# Altium PCB Thunderscope_Rev4.1.PCBDOC (part 3 of 7) (continued)
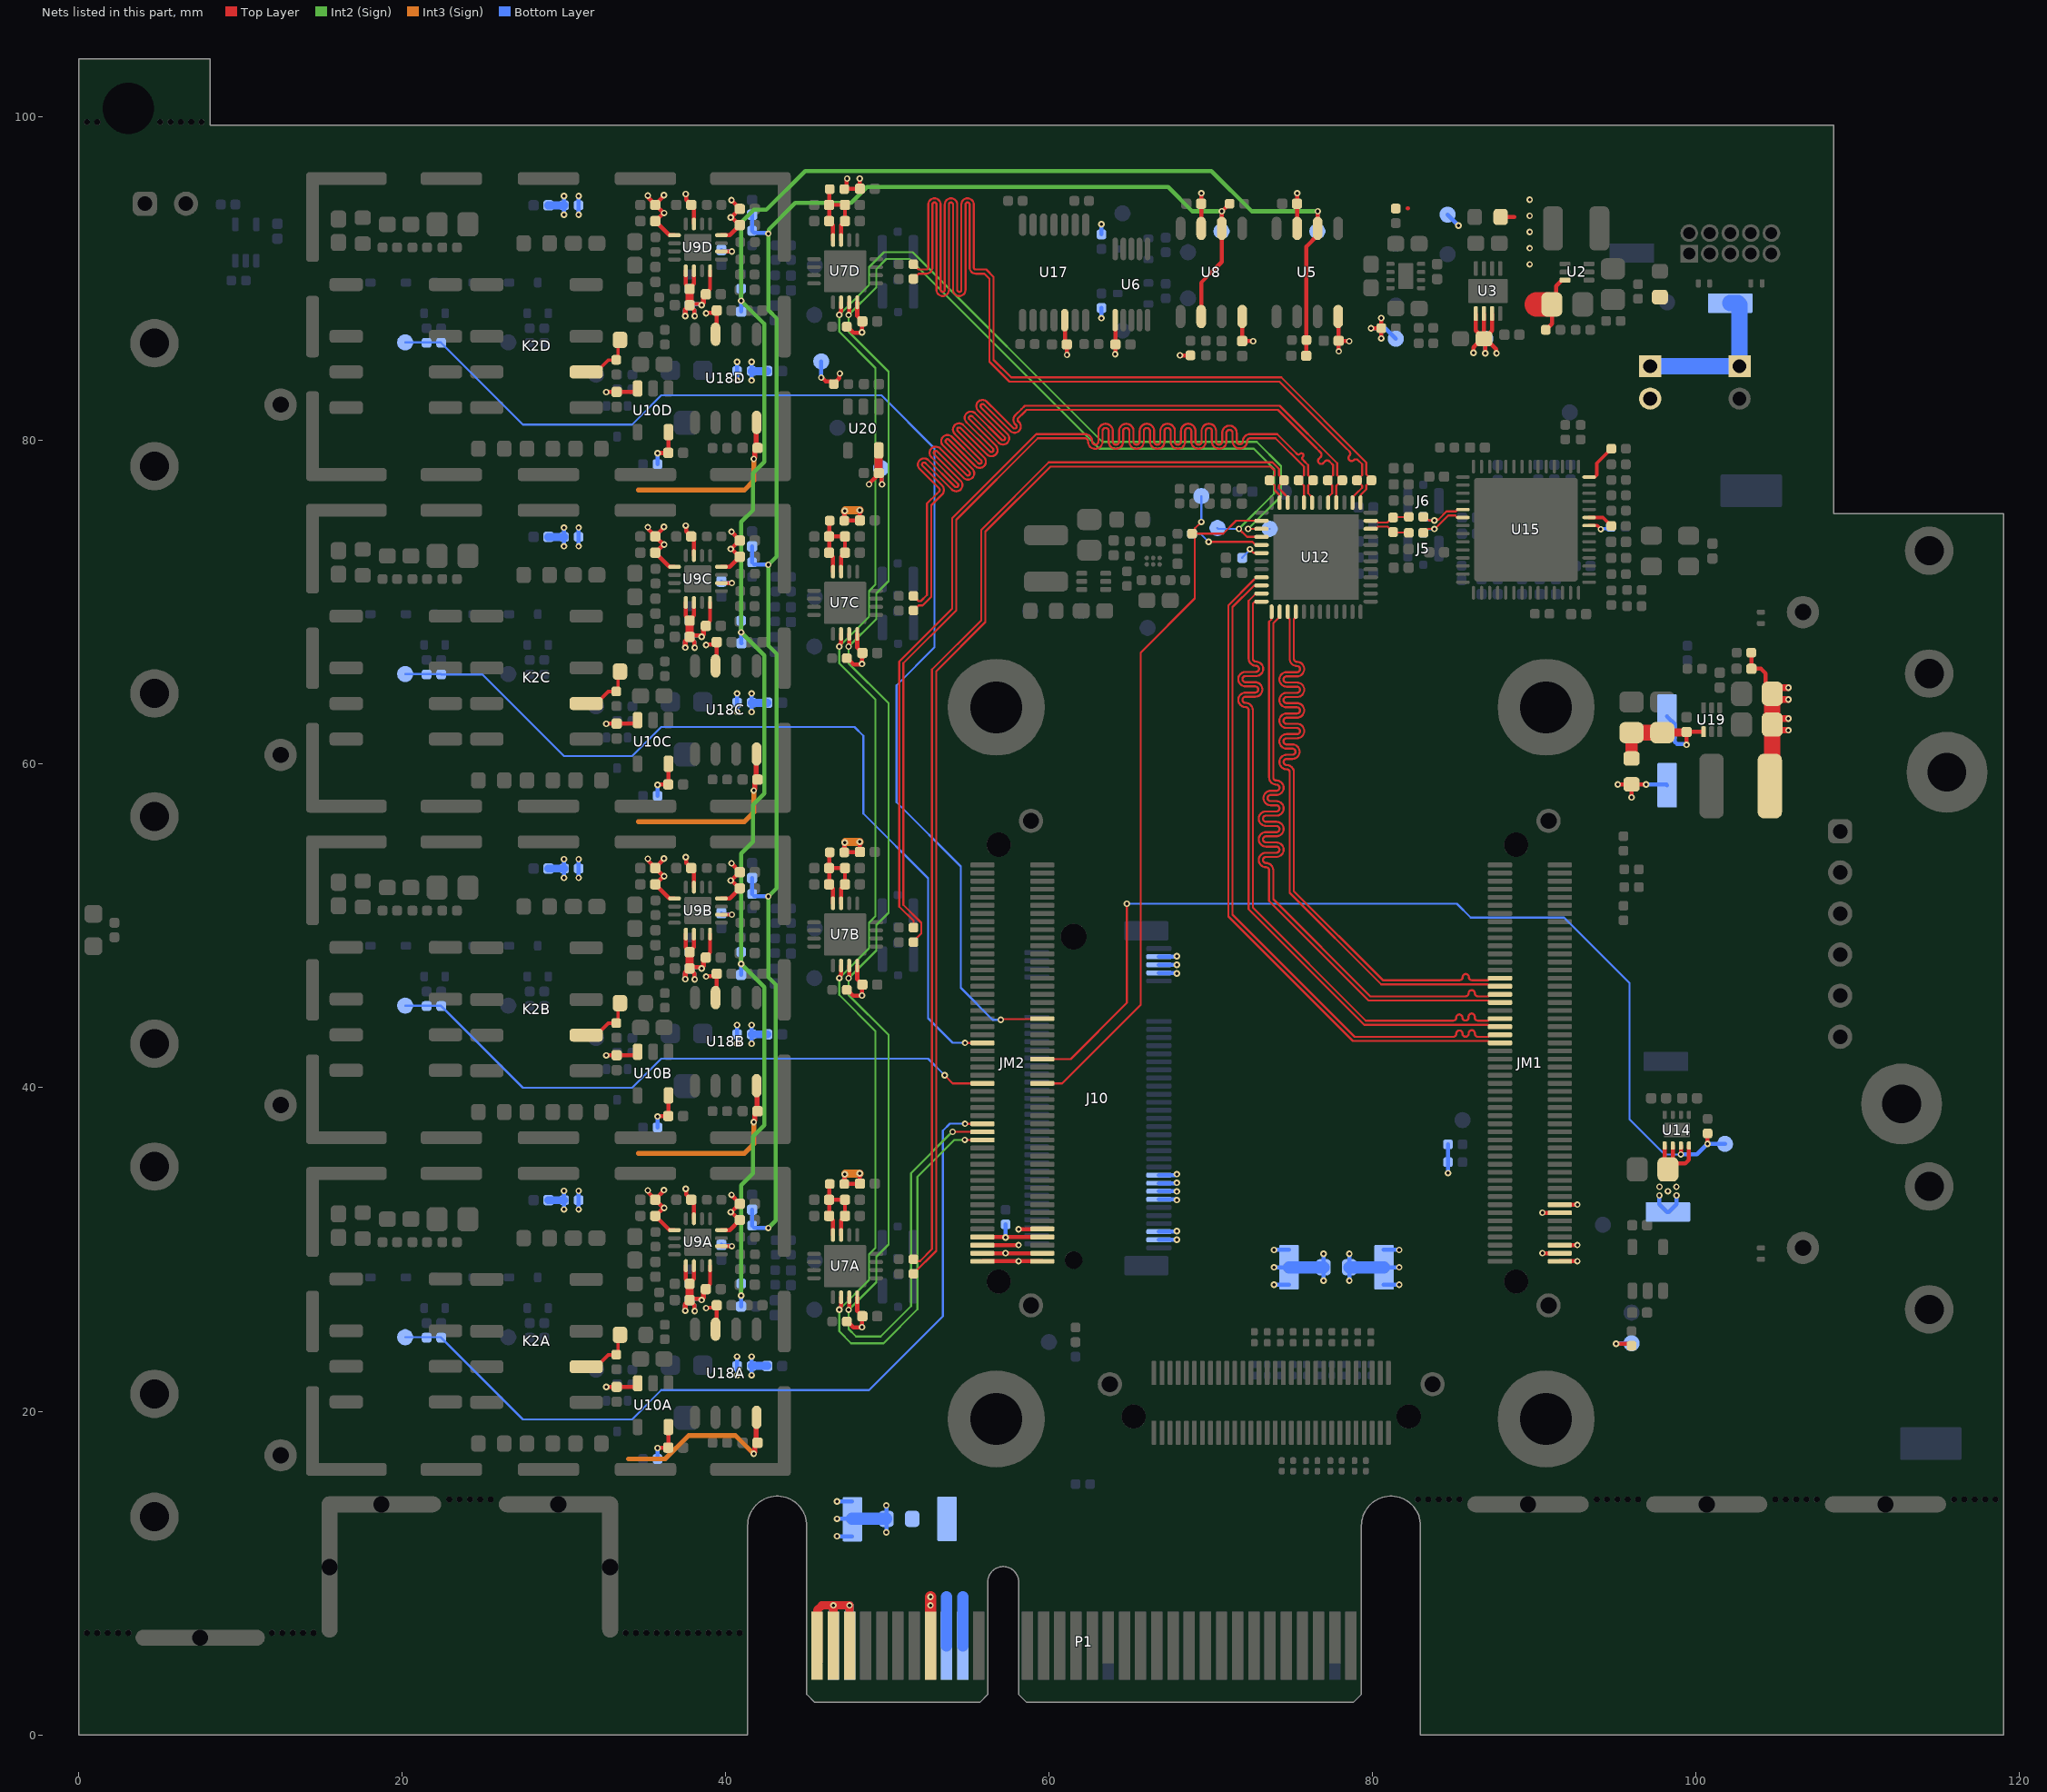
[diagram p7: the nets of this part, all layers, seen from the top]
## Nets (pads, with @x,y where several pads share a name; then routed paths per layer and width w, separated by ;. In a path a pad name is that pad's centre, name@x,y a point inside that pad or via, vN(x,y) a via of type N, cw(c..) or ccw(c..) an arc to the next point about the centre after c; other vN are vias at no path point) (continued)
  Bottom Layer w0.254: v1(30.9,32.475) FB10A.2@30.9,33.038 ; FB10A.2@30.9,33.05 v1(30.9,33.625)
-VFFEB: C102B.2 C108B.2 C109B.1 C110B.1 C124B.1 C127B.2 C128B.2 FB10B.2 R55B.2 U9B.5 U9B.6 U9B.8 U9B.10 U10B.3 U18B.4 | length 27.1
  Top Layer w0.127: C108B.2@37.76,48.375 C108B.2@37.76,48.427 ; C127B.2@38.765,48.05 C127B.2@38.765,48.102
  Top Layer w0.25: U9B.5@37.525,49.5 37.525,48.662 37.76,48.427 38.025,48.692 U9B.6@38.025,49.5 ; C109B.1@37.76,47.375 37.885,47.5 37.934,47.451 38.369,47.451 38.445,47.375 v1(38.5,47.375) ; C109B.1@37.854,47.263 38.054,47.063 38.054,46.721 v1(38.075,46.7) ; C127B.2@38.765,48.102 39.025,48.362 U9B.8@39.025,49.5 ; U9B.10@39.725,50.7 v1(40.375,50.7)
  Top Layer w0.254: v1(32.6,42) 32.605,42.005 33.245,42.005 C128B.2@33.25,42.01 34.379,42.01 34.55,42.181 U10B.3@34.55,42.225 U10B.3@34.55,42.35
  Top Layer w0.3: v1(37.487,46.712) 37.487,47.096 37.752,47.361 C109B.1@37.752,47.367 ; v1(38.5,47.375) 38.5,47.418 38.623,47.541 38.623,47.908 C127B.2@38.765,48.05 ; v1(41.725,37.875) 41.725,37.904 41.796,37.975 41.796,38.381 41.933,38.517 C124B.1@41.943,38.517 ; U18B.4@41.93,40.1 41.933,40.097 41.933,38.592 C124B.1@41.975,38.55
  Top Layer w0.5: C109B.1@37.76,47.375 C108B.2@37.76,48.375
  Int3 (Sign) w0.3: 34.586,35.949 41.149,35.949 41.725,36.525 v1(41.725,37.875)
  Bottom Layer w0.25: v1(37.487,46.712) 37.471,46.727 37.471,47.067 37.76,47.356 C102B.2@37.76,47.37 ; R55B.2@37.75,48.375 37.755,48.37 C102B.2@37.755,47.38 ; v1(38.075,46.7) 38.045,46.73 38.045,47.085 C102B.2@37.76,47.37 ; v1(38.5,47.375) 38.457,47.375 38.384,47.448 37.833,47.448 C102B.2@37.76,47.375 C102B.2@37.76,47.37 ; C110B.1@39.725,50.785 39.78,50.73 40.345,50.73 v1(40.375,50.7)
  Bottom Layer w0.254: v1(30.9,52.975) FB10B.2@30.9,53.538 ; FB10B.2@30.9,53.55 v1(30.9,54.125)
-VFFEC: C102C.2 C108C.2 C109C.1 C110C.1 C124C.1 C127C.2 C128C.2 FB10C.2 R55C.2 U9C.5 U9C.6 U9C.8 U9C.10 U10C.3 U18C.4 | length 26.9
  Top Layer w0.127: C108C.2@37.76,68.875 C108C.2@37.76,68.927 ; C127C.2@38.765,68.55 C127C.2@38.765,68.602
  Top Layer w0.25: U9C.5@37.525,70 37.525,69.162 37.76,68.927 38.025,69.192 U9C.6@38.025,70 ; C109C.1@37.76,67.875 37.885,68 37.934,67.951 38.369,67.951 38.445,67.875 v1(38.5,67.875) ; C109C.1@37.854,67.763 38.054,67.563 38.054,67.221 v1(38.075,67.2) ; C127C.2@38.765,68.602 39.025,68.862 U9C.8@39.025,70 ; U9C.10@39.725,71.2 v1(40.375,71.2)
  Top Layer w0.254: v1(32.6,62.5) 32.605,62.505 33.245,62.505 C128C.2@33.25,62.51 34.379,62.51 34.55,62.681 U10C.3@34.55,62.725 U10C.3@34.55,62.85
  Top Layer w0.3: v1(37.487,67.212) 37.487,67.596 37.752,67.861 C109C.1@37.752,67.867 ; v1(38.5,67.875) 38.5,67.918 38.623,68.041 38.623,68.408 C127C.2@38.765,68.55 ; v1(41.725,58.375) 41.725,58.404 41.796,58.475 C124C.1@41.796,58.881 ; C124C.1@41.88,59.105 U18C.4@41.88,60.6 ; U18C.4@41.93,60.6 U18C.4@41.955,60.625 ; C124C.1@41.943,59.018 C124C.1@41.965,59.04
  Top Layer w0.5: C109C.1@37.76,67.875 C108C.2@37.76,68.875
  Int3 (Sign) w0.3: 34.586,56.449 41.149,56.449 41.725,57.025 v1(41.725,58.375)
  Bottom Layer w0.25: v1(37.487,67.212) 37.471,67.227 37.471,67.567 37.76,67.856 C102C.2@37.76,67.87 ; R55C.2@37.75,68.875 37.755,68.87 C102C.2@37.755,67.88 ; v1(38.075,67.2) 38.045,67.23 38.045,67.585 C102C.2@37.76,67.87 ; v1(38.5,67.875) 38.457,67.875 38.384,67.948 37.833,67.948 C102C.2@37.76,67.875 C102C.2@37.76,67.87 ; C110C.1@39.725,71.285 39.78,71.23 40.345,71.23 v1(40.375,71.2)
  Bottom Layer w0.254: v1(30.9,73.475) FB10C.2@30.9,74.038 ; FB10C.2@30.9,74.05 v1(30.9,74.625)
-VFFED: C102D.2 C108D.2 C109D.1 C110D.1 C124D.1 C127D.2 C128D.2 FB10D.2 R55D.2 U9D.5 U9D.6 U9D.8 U9D.10 U10D.3 U18D.4 | length 26.9
  Top Layer w0.127: C108D.2@37.76,89.375 C108D.2@37.76,89.427 ; C127D.2@38.765,89.05 C127D.2@38.765,89.102
  Top Layer w0.25: U9D.5@37.525,90.5 37.525,89.662 37.76,89.427 38.025,89.692 U9D.6@38.025,90.5 ; C109D.1@37.76,88.375 37.885,88.5 37.934,88.451 38.369,88.451 38.445,88.375 v1(38.5,88.375) ; C109D.1@37.854,88.263 38.054,88.063 38.054,87.721 v1(38.075,87.7) ; C127D.2@38.765,89.102 39.025,89.362 U9D.8@39.025,90.5 ; U9D.10@39.725,91.7 v1(40.375,91.7)
  Top Layer w0.254: v1(32.6,83) 32.605,83.005 33.245,83.005 C128D.2@33.25,83.01 34.379,83.01 34.55,83.181 U10D.3@34.55,83.225 U10D.3@34.55,83.35
  Top Layer w0.3: v1(37.487,87.712) 37.487,88.096 37.752,88.361 C109D.1@37.752,88.367 ; v1(38.5,88.375) 38.5,88.418 38.623,88.541 38.623,88.908 C127D.2@38.765,89.05 ; v1(41.725,78.875) 41.725,78.904 41.796,78.975 C124D.1@41.796,79.381 ; C124D.1@41.88,79.605 U18D.4@41.88,81.1 ; U18D.4@41.93,81.1 U18D.4@41.955,81.125 ; C124D.1@41.943,79.518 C124D.1@41.975,79.55
  Top Layer w0.5: C109D.1@37.76,88.375 C108D.2@37.76,89.375
  Int3 (Sign) w0.3: 34.586,76.949 41.149,76.949 41.725,77.525 v1(41.725,78.875)
  Bottom Layer w0.25: v1(37.487,87.712) 37.471,87.727 37.471,88.067 37.76,88.356 C102D.2@37.76,88.37 ; R55D.2@37.75,89.375 37.755,89.37 C102D.2@37.755,88.38 ; v1(38.075,87.7) 38.045,87.73 38.045,88.085 C102D.2@37.76,88.37 ; v1(38.5,88.375) 38.457,88.375 38.384,88.448 37.833,88.448 C102D.2@37.76,88.375 C102D.2@37.76,88.37 ; C110D.1@39.725,91.785 39.78,91.73 40.345,91.73 v1(40.375,91.7)
  Bottom Layer w0.254: v1(30.9,93.975) FB10D.2@30.9,94.538 ; FB10D.2@30.9,94.55 v1(30.9,95.125)
AC0: R94.2 U15.23 | length 1.6
  Top Layer w0.2: U15.23@93.375,75.25 94.225,75.25 R94.2@94.75,74.725
AC1: R93.2 U15.22 | length 1.5
  Top Layer w0.2: U15.22@93.375,74.75 93.875,74.75 v1(94.1,74.525)
  Bottom Layer w0.2: v1(94.1,74.525) 94.139,74.564 94.614,74.564 R93.2@94.725,74.675
AC2: R92.2 U15.28 | length 2.5
  Top Layer w0.2: U15.28@93.375,77.75 93.733,77.75 93.85,77.867 93.85,78.6 R92.2@94.75,79.5
ACQ_EN: JM2.52 R38.2 TP33.1 U14.3 | length 62.6
  Top Layer w0.127: JM2.52@59.567,41.771 61.321,41.771 64.8,45.25 v1(64.8,51.375)
  Top Layer w0.254: v1(99.05,35.875) U14.3@99.05,36.425 ; v1(100.7,36.525) R38.2@100.7,37.175
  Bottom Layer w0.127: v1(64.8,51.375) 85.2,51.375 86.05,50.525 91.825,50.525 95.875,46.475 95.875,38.05 98.05,35.875 v1(99.05,35.875)
  Bottom Layer w0.254: v1(99.05,35.875) 100.05,35.875 v1(100.7,36.525) TP33.1@101.775,36.525
ADC_CLK_C_N: C104.1 R64.1 U12.34 | length 2.6
  Top Layer w0.127: U12.34@79.868,74.55 80.186,74.55 80.329,74.693 80.915,74.693 R64.1@81.257,74.35 81.282,74.325 82.19,74.325 C104.1@82.215,74.3
ADC_CLK_C_P: C103.1 R64.2 U12.35 | length 2.5
  Top Layer w0.127: U12.35@79.868,75.05 80.226,75.05 80.329,74.947 80.907,74.947 81.21,75.25 R64.2@81.257,75.25 81.282,75.275 82.19,75.275 C103.1@82.215,75.3
ADC_CLK_N: C104.2 J5.1 U15.48 | length 3.7
  Top Layer w0.127: C104.2@83.135,74.3 83.187,74.3 83.43,74.542 v1@83.776,74.542 ; v1(83.804,74.54) 83.829,74.54 84.664,75.375 85.108,75.375 85.233,75.25 U15.48@85.575,75.25
  Bottom Layer w0.127: J5.1@83.125,74.3 83.19,74.3 83.43,74.54 v1@83.779,74.54
ADC_CLK_P: C103.2 J6.1 U15.47 | length 3.5
  Top Layer w0.127: C103.2@83.135,75.3 83.332,75.103 83.429,75.103 83.459,75.073 v1@83.781,75.073 ; v1(83.806,75.073) 83.858,75.126 84.056,75.126 84.559,75.629 85.139,75.629 85.26,75.75 U15.47@85.575,75.75
  Bottom Layer w0.127: J6.1@83.125,75.3 83.19,75.3 83.417,75.073 v1@83.781,75.073
ADC_CSn: JM2.46 R42.1 TP29.1 U12.2 | length 45.8
  Top Layer w0.127: JM2.46@59.567,40.271 60.796,40.271 65.65,45.125 65.65,66.9 69,70.25 69,74.15 R42.1@68.9,74.25 ; R42.1@68.825,74.25 R42.1@68.9,74.25 ; R42.1@68.85,74.275 69.008,74.433 69.008,74.583 v1(69.4,74.975) ; U12.2@73.118,75.05 71.55,75.05 70.75,74.25 R42.1@68.9,74.25
  Bottom Layer w0.127: v1(69.4,74.975) TP29.1@69.4,76.575
ADC_PD: R46.1 U12.6 | length 1.6
  Top Layer w0.127: v1(72.406,73.29) 72.406,73.284 72.62,73.07 73.098,73.07 U12.6@73.118,73.05
  Bottom Layer w0.127: R46.1@71.925,72.75 71.925,72.779 72.406,73.261 v1(72.406,73.29)
ADC_RSTn: R44.1 U12.5 | length 4.6
  Top Layer w0.127: v1(69.85,73.75) 72.56,73.75 72.76,73.55 U12.5@73.118,73.55
  Bottom Layer w0.127: R44.1@68.825,74.25 69.35,74.25 v1(69.85,73.75)
ADC_SCLK: JM2.33 TP35.1 U7A.11 U7B.11 U7C.11 U7D.11 U12.4 | length 131.8
  Top Layer w0.127: v1(54.025,37.275) 54.027,37.273 55.86,37.273 JM2.33@55.863,37.271 ; v1(71.725,74.55) 72.225,74.05 U12.4@73.118,74.05
  Top Layer w0.25: v1(47.593,26.27) 47.625,26.302 U7A.11@47.625,27.05 ; v1(47.593,46.77) 47.625,46.802 U7B.11@47.625,47.55 ; v1(47.593,67.27) 47.625,67.302 U7C.11@47.625,68.05 ; v1(47.593,87.77) 47.625,87.802 U7D.11@47.625,88.55
  Int2 (Sign) w0.127: v1(54.025,37.275) 54,37.275 51.45,34.725 51.45,26.5 49.575,24.625 48.05,24.625 47.593,25.082 v1(47.593,26.27) 49.3,27.977 49.3,29.556 50.056,30.312 50.056,43.269 47.593,45.732 v1(47.593,46.77) 49.3,48.477 49.3,50.056 50.056,50.812 50.056,63.769 47.593,66.232 v1(47.593,67.27) 49.3,68.977 49.3,70.556 50.056,71.312 50.056,84.269 47.593,86.732 v1(47.593,87.77) 49.3,89.477 49.3,90.6 49.925,91.225 51.375,91.225 63.1,79.5 72.65,79.5 73.9,78.25 73.9,76.725 v1(71.725,74.55)
  Bottom Layer w0.127: TP35.1@70.391,74.609 70.45,74.55 v1(71.725,74.55)
ADC_SDATA: JM2.31 TP34.1 U7A.10 U7B.10 U7C.10 U7D.10 U12.3 | length 132.8
  Top Layer w0.127: v1(54.775,36.775) 54.777,36.773 55.865,36.773 JM2.31@55.867,36.771 ; v1(72.3,74.55) U12.3@73.118,74.55
  Top Layer w0.25: v1(47.009,26.275) 47.009,26.364 47.125,26.48 U7A.10@47.125,27.05 ; v1(47.009,46.775) 47.009,46.864 47.125,46.98 U7B.10@47.125,47.55 ; v1(47.009,67.275) 47.009,67.364 47.125,67.48 U7C.10@47.125,68.05 ; v1(47.009,87.775) 47.009,87.864 47.125,87.98 U7D.10@47.125,88.55
  Int2 (Sign) w0.127: v1(54.775,36.775) 54.125,36.775 51.85,34.5 51.85,26.3 49.75,24.2 47.75,24.2 47.009,24.941 v1(47.009,26.275) 48.85,28.116 48.85,29.7 49.25,30.1 49.25,43.495 47.009,45.736 v1(47.009,46.775) 48.85,48.616 48.85,50.2 49.25,50.6 49.25,63.995 47.009,66.236 v1(47.009,67.275) 48.85,69.116 48.85,70.7 49.25,71.1 49.25,84.495 47.009,86.736 v1(47.009,87.775) 48.85,89.616 48.85,90.725 49.775,91.65 51.55,91.65 63.275,79.925 72.826,79.925 74.325,78.426 74.325,76.575 v1(72.3,74.55)
  Bottom Layer w0.127: v1(72.3,74.55) TP34.1@73.625,74.55
ATTEN_1: JM2.35 R47A.2 R49A.2 TP22A.1 | length 52
  Top Layer w0.127: v1(54.787,37.775) 54.789,37.773 55.798,37.773 JM2.35@55.8,37.775
  Bottom Layer w0.127: TP22A.1@20.175,24.575 R47A.2@22.4,24.575 ; R47A.2@22.4,24.55 27.45,19.5 34.2,19.5 36,21.3 48.85,21.3 53.425,25.875 53.425,37.35 53.85,37.775 v1(54.787,37.775)
ATTEN_2: JM2.45 R47B.2 R49B.2 TP22B.1 | length 39.2
  Top Layer w0.127: v1(53.525,40.775) 54.029,40.271 55.863,40.271 JM2.45@55.877,40.285
  Bottom Layer w0.127: TP22B.1@20.175,45.075 R47B.2@22.4,45.075 ; R47B.2@22.4,45.05 27.45,40 34.2,40 36,41.8 52.5,41.8 v1(53.525,40.775)
ATTEN_3: JM2.55 R47C.2 R49C.2 TP22C.1 | length 54.5
  Top Layer w0.127: v1(54.787,42.775) 54.789,42.773 JM2.55@55.831,42.773
  Bottom Layer w0.127: TP22C.1@20.175,65.575 21.5,65.575 R47C.2@22.4,65.575 ; R47C.2@22.4,65.55 24.95,65.55 30,60.5 34.2,60.5 36,62.3 47.95,62.3 48.5,61.75 48.5,56.95 52.5,52.95 52.5,44.3 54.025,42.775 v1(54.787,42.775)
ATTEN_4: JM2.62 R47D.2 R49D.2 TP22D.1 | length 78.8
  Top Layer w0.127: v1(57,44.2) 57.035,44.235 59.532,44.235 JM2.62@59.567,44.271
  Bottom Layer w0.127: TP22D.1@20.175,86.075 R47D.2@22.4,86.075 ; R47D.2@22.4,86.05 27.45,81 34.2,81 36,82.8 49.625,82.8 52.9,79.525 52.9,67.225 50.55,64.875 50.55,57.65 54.525,53.675 54.525,46.175 56.5,44.2 v1(57,44.2)
ATTEN_OUTA: K2A.6 R53A.1 R96A.2 | length 3.5
  Top Layer w0.213: K2A.6@31.365,22.75 31.995,22.75 32.73,23.485 33.044,23.485 33.058,23.5 R96A.2@33.225,23.5 33.337,23.613 33.337,24.613 R53A.1@33.45,24.725
ATTEN_OUTB: K2B.6 R53B.1 R96B.2 | length 3.5
  Top Layer w0.213: K2B.6@31.365,43.25 31.995,43.25 32.73,43.985 33.044,43.985 33.058,44 R96B.2@33.225,44 33.337,44.113 33.337,45.113 R53B.1@33.45,45.225
ATTEN_OUTC: K2C.6 R53C.1 R96C.2 | length 3.5
  Top Layer w0.213: K2C.6@31.365,63.75 31.995,63.75 32.73,64.485 33.044,64.485 33.058,64.5 R96C.2@33.225,64.5 33.337,64.613 33.337,65.613 R53C.1@33.45,65.725
ATTEN_OUTD: K2D.6 R53D.1 R96D.2 | length 3.5
  Top Layer w0.213: K2D.6@31.365,84.25 31.995,84.25 32.73,84.985 33.044,84.985 33.058,85 R96D.2@33.225,85 33.337,85.113 33.337,86.113 R53D.1@33.45,86.225
CH1_N: R57.2 R97A.2 U12.47 | length 69.7
  Top Layer w0.127: R97A.2@51.6,28.5 51.6,28.51 53.007,29.918 53.007,65.743 56.05,68.786 56.05,74.375 60.075,78.4 73.686,78.4 73.943,78.143 73.943,77.875 R57.2@73.618,77.55 73.942,77.226 73.942,76.937 74.22,76.66 U12.47@74.22,76.199
CH1_P: R52A.2 R57.1 U12.46 | length 69.8
  Top Layer w0.127: R52A.2@51.6,29.4 51.71,29.29 52.016,29.29 52.75,30.024 52.75,65.85 55.793,68.893 55.793,74.482 59.968,78.657 73.793,78.657 74.2,78.25 74.2,77.868 R57.1@74.518,77.55 74.2,77.231 74.2,77.044 74.529,76.714 U12.46@74.743,76.5
CH2_N: R60.2 R97B.2 U12.44 | length 69.7
  Top Layer w0.127: R97B.2@51.6,49 51.6,49.047 52.091,49.537 52.091,50.191 50.982,51.299 50.982,66.243 54.25,69.511 54.25,75.105 59.295,80.15 61.375,80.15 62.205,80.15 cw(c62.205,79.959) 62.396,79.959 62.396,79.941 ccw(c62.843,79.941) 62.843,79.493 ccw(c62.843,79.941) 63.291,79.941 63.291,80.597 cw(c63.482,80.597) 63.482,80.787 cw(c63.482,80.597) 63.672,80.597 63.672,79.941 ccw(c64.12,79.941) 64.12,79.493 ccw(c64.12,79.941) 64.567,79.941 64.567,80.597 cw(c64.758,80.597) 64.758,80.787 cw(c64.758,80.597) 64.948,80.597 64.948,79.941 ccw(c65.396,79.941) 65.396,79.493 ccw(c65.396,79.941) 65.844,79.941 65.844,80.597 cw(c66.034,80.597) 66.034,80.787 cw(c66.034,80.597) 66.225,80.597 66.225,79.941 ccw(c66.673,79.941) 66.673,79.493 ccw(c66.673,79.941) 67.12,79.941 67.12,80.597 cw(c67.311,80.597) 67.311,80.787 cw(c67.311,80.597) 67.501,80.597 67.501,79.941 ccw(c67.949,79.941) 67.949,79.493 ccw(c67.949,79.941) 68.397,79.941 68.397,80.597 cw(c68.587,80.597) 68.587,80.787 cw(c68.587,80.597) 68.778,80.597 68.778,79.941 ccw(c69.226,79.941) 69.226,79.493 ccw(c69.226,79.941) 69.673,79.941 69.673,80.597 cw(c69.864,80.597) 69.864,80.787 cw(c69.864,80.597) 70.054,80.597 70.054,79.941 ccw(c70.502,79.941) 70.502,79.493 ccw(c70.502,79.941) 70.95,79.941 70.95,80.48 cw(c71.14,80.48) 71.14,80.67 cw(c71.14,80.48) 71.331,80.48 71.331,79.959 ccw(c71.778,79.959) 71.778,79.512 ccw(c71.778,79.959) 72.226,79.959 cw(c72.417,79.959) 72.417,80.15 73.169,80.15 73.986,80.15 75.743,78.393 75.743,77.875 R60.2@75.418,77.55 75.418,77.546 75.743,77.221 U12.44@75.743,76.175
CH2_P: R52B.2 R60.1 U12.43 | length 69.7
  Top Layer w0.127: R52B.2@51.6,49.9 51.602,49.902 51.602,50.316 50.725,51.193 50.725,66.35 53.993,69.618 53.993,75.211 59.189,80.407 61.375,80.407 62.205,80.407 cw(c62.205,79.959) 62.653,79.959 62.653,79.941 ccw(c62.843,79.941) 62.843,79.75 ccw(c62.843,79.941) 63.034,79.941 63.034,80.597 cw(c63.482,80.597) 63.482,81.044 cw(c63.482,80.597) 63.929,80.597 63.929,79.941 ccw(c64.12,79.941) 64.12,79.75 ccw(c64.12,79.941) 64.31,79.941 64.31,80.597 cw(c64.758,80.597) 64.758,81.044 cw(c64.758,80.597) 65.206,80.597 65.206,79.941 ccw(c65.396,79.941) 65.396,79.75 ccw(c65.396,79.941) 65.587,79.941 65.587,80.597 cw(c66.034,80.597) 66.034,81.044 cw(c66.034,80.597) 66.482,80.597 66.482,79.941 ccw(c66.673,79.941) 66.673,79.75 ccw(c66.673,79.941) 66.863,79.941 66.863,80.597 cw(c67.311,80.597) 67.311,81.044 cw(c67.311,80.597) 67.759,80.597 67.759,79.941 ccw(c67.949,79.941) 67.949,79.75 ccw(c67.949,79.941) 68.14,79.941 68.14,80.597 cw(c68.587,80.597) 68.587,81.044 cw(c68.587,80.597) 69.035,80.597 69.035,79.941 ccw(c69.226,79.941) 69.226,79.75 ccw(c69.226,79.941) 69.416,79.941 69.416,80.597 cw(c69.864,80.597) 69.864,81.044 cw(c69.864,80.597) 70.311,80.597 70.311,79.941 ccw(c70.502,79.941) 70.502,79.75 ccw(c70.502,79.941) 70.692,79.941 70.692,80.48 cw(c71.14,80.48) 71.14,80.927 cw(c71.14,80.48) 71.588,80.48 71.588,79.959 ccw(c71.778,79.959) 71.778,79.769 ccw(c71.778,79.959) 71.969,79.959 cw(c72.417,79.959) 72.417,80.407 73.169,80.407 74.093,80.407 75.272,79.228 75.317,79.183 ccw(c75.407,79.273) 75.497,79.183 cw(c75.587,79.093) 75.677,79.183 cw(c75.587,79.093) 75.677,79.003 ccw(c75.766,78.913) 75.677,78.823 75.793,78.707 75.838,78.662 76,78.5 76,77.868 R60.1@76.318,77.55 76,77.232 76,76.758 76.243,76.515 U12.43@76.243,76.175
CH3_N: R62.2 R97C.2 U12.41 | length 69.8
  Top Layer w0.127: R97C.2@51.6,69.5 51.6,69.51 51.911,69.821 52.167,69.821 52.7,70.355 52.7,76.011 53.237,76.548 53.373,76.684 ccw(c53.101,76.956) 53.41,77.183 53.41,77.19 53.373,77.227 52.169,78.431 cw(c52.258,78.521) 52.169,78.611 cw(c52.258,78.521) 52.348,78.611 ; 52.349,78.61 53.976,76.983 ccw(c54.248,77.254) 54.52,76.983 ccw(c54.248,77.254) 54.558,77.482 54.558,77.488 52.892,79.154 cw(c52.981,79.244) 52.892,79.334 cw(c52.981,79.244) 53.071,79.334 ; 53.072,79.333 54.699,77.706 ccw(c54.971,77.977) 55.243,77.706 55.244,77.707 ccw(c54.971,77.977) 55.281,78.205 55.281,78.211 53.614,79.877 cw(c53.704,79.967) 53.614,80.057 cw(c53.704,79.967) 53.794,80.057 55.422,78.429 ccw(c55.694,78.7) 55.966,78.429 55.967,78.43 ccw(c55.694,78.7) 56.003,78.928 56.003,78.934 54.337,80.6 cw(c54.427,80.69) 54.337,80.78 cw(c54.427,80.69) 54.517,80.78 ; 54.518,80.779 56.145,79.152 ccw(c56.417,79.423) 56.689,79.151 56.69,79.152 ccw(c56.417,79.423) 56.726,79.651 56.726,79.657 55.06,81.323 cw(c55.15,81.413) 55.06,81.503 cw(c55.15,81.413) 55.24,81.503 ; 55.241,81.502 56.868,79.875 ccw(c57.14,80.146) 57.412,79.874 57.413,79.875 ccw(c57.14,80.146) 57.449,80.374 57.449,80.38 55.783,82.046 cw(c55.873,82.136) 55.783,82.226 cw(c55.873,82.136) 55.963,82.226 57.585,80.604 ccw(c57.857,80.876) 58.128,80.604 58.129,80.605 ccw(c57.857,80.876) 58.128,81.147 58.121,81.154 58.072,81.204 cw(c58.162,81.293) 58.072,81.383 58.46,81.772 58.589,81.9 74.136,81.9 76.462,79.574 76.507,79.529 76.777,79.26 cw(c76.642,79.125) 76.777,78.99 76.672,78.885 ccw(c76.807,78.751) 76.672,78.616 ccw(c76.807,78.751) 76.941,78.616 77.046,78.721 cw(c77.181,78.586) 77.315,78.721 77.484,78.552 77.529,78.507 77.539,78.497 77.539,77.905 ; U12.41@77.243,76.515 77.486,76.758 77.486,77.232 77.455,77.263 77.455,77.267 77.218,77.503 R62.2@77.218,77.55 77.543,77.875 77.543,77.894
CH3_P: R52C.2 R62.1 U12.40 | length 69.8
  Top Layer w0.127: R52C.2@51.6,70.4 51.6,70.39 51.911,70.079 52.06,70.079 52.443,70.461 52.443,76.118 53.055,76.73 53.191,76.866 ccw(c53.101,76.956) 53.19,77.046 ; 51.987,78.249 53.19,77.046 ; 51.987,78.249 cw(c52.258,78.521) 51.987,78.793 51.988,78.794 cw(c52.258,78.521) 52.486,78.83 52.492,78.83 54.158,77.164 ccw(c54.248,77.254) 54.338,77.164 ccw(c54.248,77.254) 54.338,77.344 ; 54.337,77.345 52.71,78.972 cw(c52.981,79.244) 52.71,79.516 52.711,79.517 cw(c52.981,79.244) 53.209,79.553 53.215,79.553 54.881,77.887 ccw(c54.971,77.977) 55.061,77.887 ccw(c54.971,77.977) 55.061,78.067 53.433,79.695 cw(c53.704,79.967) 53.433,80.239 cw(c53.704,79.967) 53.932,80.276 53.938,80.276 55.604,78.61 ccw(c55.694,78.7) 55.784,78.61 ccw(c55.694,78.7) 55.784,78.79 54.156,80.418 cw(c54.427,80.69) 54.156,80.962 cw(c54.427,80.69) 54.655,80.999 54.661,80.999 56.327,79.333 ccw(c56.417,79.423) 56.507,79.333 ccw(c56.417,79.423) 56.507,79.513 ; 55.602,81.864 cw(c55.873,82.136) 55.602,82.408 cw(c55.873,82.136) 56.101,82.445 56.107,82.445 56.855,81.698 57.767,80.786 ccw(c57.857,80.876) 57.946,80.786 ccw(c57.857,80.876) 57.946,80.965 57.891,81.021 cw(c58.162,81.293) 57.89,81.565 58.278,81.953 58.482,82.157 74.243,82.157 77.8,78.6 77.8,77.868 R62.1@78.118,77.55 ; 55.602,81.863 57.229,80.237 ; 56.506,79.514 54.879,81.141 cw(c55.15,81.413) 54.879,81.685 cw(c55.15,81.413) 55.378,81.722 55.384,81.722 57.05,80.056 ccw(c57.14,80.146) 57.23,80.056 ccw(c57.14,80.146) 57.23,80.236 ; U12.40@77.743,76.175 77.743,77.221 R62.1@78.068,77.546 ; R62.1@78.118,77.527 R62.1@78.118,77.55 ; R62.1@78.118,77.573 R62.1@78.118,77.55
CH4_N: R63.2 R97D.2 U12.38 | length 69.7
  Top Layer w0.127: R97D.2@51.6,90 51.6,90.01 51.911,90.321 52.196,90.321 52.389,90.321 ccw(c52.389,90.706) 52.773,90.706 52.773,94.601 cw(c52.9,94.601) 52.9,94.728 cw(c52.9,94.601) 53.027,94.601 53.027,89.324 ccw(c53.411,89.324) 53.411,88.94 ccw(c53.411,89.324) 53.795,89.324 53.795,94.601 cw(c53.922,94.601) 53.922,94.728 cw(c53.922,94.601) 54.049,94.601 54.049,89.324 ccw(c54.433,89.324) 54.433,88.94 ccw(c54.433,89.324) 54.818,89.324 54.818,94.601 cw(c54.945,94.601) 54.945,94.728 cw(c54.945,94.601) 55.072,94.601 55.072,90.706 ccw(c55.456,90.706) 55.456,90.321 55.854,90.321 55.993,90.321 56.3,90.014 56.3,84.886 57.536,83.65 74.236,83.65 78.238,79.648 78.283,79.603 78.553,79.334 cw(c78.418,79.199) 78.553,79.064 ccw(c78.687,78.929) 78.553,78.795 ccw(c78.687,78.929) 78.822,78.795 ; U12.38@78.743,76.175 78.743,76.5 78.957,76.714 79.339,77.096 79.339,77.214 79.018,77.535 R63.2@79.018,77.55 79.343,77.875 79.343,78.343 79.343,78.543 79.091,78.795 ; 78.822,78.795 cw(c78.957,78.66) 79.091,78.795
CH4_P: R52D.2 R63.1 U12.37 | length 69.6
  Top Layer w0.127: R52D.2@51.6,90.9 51.6,90.89 51.911,90.579 52.196,90.579 52.389,90.579 ccw(c52.389,90.706) 52.516,90.706 52.516,94.601 cw(c52.9,94.601) 52.9,94.985 cw(c52.9,94.601) 53.284,94.601 53.284,89.324 ccw(c53.411,89.324) 53.411,89.197 ccw(c53.411,89.324) 53.538,89.324 53.538,94.601 cw(c53.922,94.601) 53.922,94.985 cw(c53.922,94.601) 54.306,94.601 54.306,89.324 ccw(c54.433,89.324) 54.433,89.197 ccw(c54.433,89.324) 54.56,89.324 54.56,94.601 cw(c54.945,94.601) 54.945,94.985 cw(c54.945,94.601) 55.329,94.601 55.329,90.706 ccw(c55.456,90.706) 55.456,90.579 55.854,90.579 55.993,90.579 56.1,90.579 56.557,90.121 56.557,84.993 57.643,83.907 74.343,83.907 79.6,78.65 79.6,77.915 79.918,77.597 R63.1@79.918,77.55 79.907,77.55 79.596,77.239 79.596,76.989 79.267,76.66 79.267,76.199 U12.37@79.243,76.175
D1A_N: JM1.57 U12.10 | length 42
  Top Layer w0.127: U12.10@73.118,71.05 73.095,71.026 72.64,71.026 71.325,69.711 71.325,50.7 78.876,43.149 84.625,43.149 84.974,43.149 ccw(c84.974,43.34) 85.165,43.34 85.165,43.35 cw(c85.355,43.35) 85.546,43.35 85.546,43.34 ccw(c85.736,43.34) 85.927,43.34 85.927,43.361 cw(c86.117,43.361) 86.308,43.361 86.308,43.34 ccw(c86.498,43.34) 86.498,43.149 86.943,43.149 87.139,43.149 87.261,43.271 JM1.57@87.867,43.271
D1A_P: JM1.55 U12.9 | length 42
  Top Layer w0.127: U12.9@73.118,71.55 72.8,71.55 72.589,71.339 71.068,69.818 71.068,50.593 78.769,42.892 87.139,42.892 87.261,42.771 JM1.55@87.867,42.771
D1B_N: JM1.61 U12.12 | length 42.2
  Top Layer w0.127: U12.12@73.118,70.05 73.095,70.026 72.689,70.026 72.582,69.92 72.582,68.486 72.582,66.725 72.582,66.533 ccw(c72.773,66.533) 72.773,66.342 72.775,66.342 cw(c72.775,65.895) 73.222,65.895 cw(c72.775,65.895) 72.775,65.447 72.133,65.447 ccw(c72.133,65.256) 71.942,65.256 ccw(c72.133,65.256) 72.133,65.066 72.728,65.066 cw(c72.728,64.618) 73.176,64.618 cw(c72.728,64.618) 72.728,64.171 72.134,64.171 ccw(c72.134,63.98) 71.944,63.98 ccw(c72.134,63.98) 72.134,63.79 cw(c72.134,63.342) 72.582,63.342 72.582,58.753 72.582,51.143 79.576,44.149 84.624,44.149 84.97,44.149 ccw(c84.97,44.34) 85.161,44.34 cw(c85.351,44.34) 85.542,44.34 ccw(c85.732,44.34) 85.923,44.34 85.923,44.395 cw(c86.113,44.395) 86.304,44.395 86.304,44.34 ccw(c86.494,44.34) 86.494,44.149 86.939,44.149 87.139,44.149 87.261,44.271 JM1.61@87.867,44.271
D1B_P: JM1.59 U12.11 | length 42.3
  Top Layer w0.127: U12.11@73.106,70.538 U12.11@73.118,70.55 72.779,70.55 72.325,70.096 72.325,68.38 72.325,66.725 72.325,66.533 ccw(c72.773,66.533) 72.773,66.085 72.775,66.085 cw(c72.775,65.895) 72.965,65.895 cw(c72.775,65.895) 72.775,65.704 72.133,65.704 ccw(c72.133,65.256) 71.685,65.256 ccw(c72.133,65.256) 72.133,64.809 72.728,64.809 cw(c72.728,64.618) 72.919,64.618 cw(c72.728,64.618) 72.728,64.428 72.134,64.428 ccw(c72.134,63.98) 71.687,63.98 ccw(c72.134,63.98) 72.134,63.532 cw(c72.134,63.342) 72.325,63.342 72.325,58.753 72.325,58.279 72.325,51.036 79.469,43.892 87.139,43.892 87.261,43.771 JM1.59@87.867,43.771
D2A_N: JM1.67 U12.14 | length 42.1
  Top Layer w0.127: U12.14@74.243,69.425 74.243,69.105 73.85,68.712 73.85,61.084 73.85,59.184 ccw(c74.04,59.184) 74.04,58.993 cw(c74.041,58.546) 74.488,58.546 cw(c74.041,58.546) 74.041,58.098 73.688,58.098 ccw(c73.688,57.907) 73.498,57.907 ccw(c73.688,57.907) 73.688,57.717 74.042,57.717 cw(c74.042,57.269) 74.49,57.269 cw(c74.042,57.269) 74.042,56.822 73.4,56.822 ccw(c73.4,56.631) 73.21,56.631 ccw(c73.4,56.631) 73.4,56.441 74.042,56.441 cw(c74.042,55.993) 74.49,55.993 cw(c74.042,55.993) 74.042,55.545 73.4,55.545 ccw(c73.4,55.355) 73.21,55.355 ccw(c73.4,55.355) 73.4,55.164 74.042,55.164 cw(c74.042,54.716) 74.49,54.716 cw(c74.042,54.716) 74.042,54.269 73.4,54.269 ccw(c73.4,54.078) 73.21,54.078 ccw(c73.4,54.078) 73.4,53.888 73.402,53.888 cw(c73.402,53.44) 73.85,53.44 73.85,53.248 73.85,51.65 79.851,45.649 84.753,45.649 85.735,45.649 ccw(c85.735,45.84) 85.925,45.84 cw(c86.116,45.84) 86.306,45.84 ccw(c86.497,45.84) 86.497,45.649 86.941,45.649 87.139,45.649 87.261,45.771 JM1.67@87.867,45.771
D2A_P: JM1.65 U12.13 | length 42
  Top Layer w0.127: U12.13@73.743,69.425 73.72,69.401 73.72,68.946 73.593,68.819 73.593,61.084 73.593,59.184 ccw(c74.04,59.184) 74.04,58.736 cw(c74.041,58.546) 74.231,58.546 cw(c74.041,58.546) 74.041,58.355 73.688,58.355 ccw(c73.688,57.907) 73.241,57.907 ccw(c73.688,57.907) 73.688,57.46 74.042,57.46 cw(c74.042,57.269) 74.233,57.269 cw(c74.042,57.269) 74.042,57.079 73.4,57.079 ccw(c73.4,56.631) 72.953,56.631 ccw(c73.4,56.631) 73.4,56.183 74.042,56.183 cw(c74.042,55.993) 74.233,55.993 cw(c74.042,55.993) 74.042,55.802 73.4,55.802 ccw(c73.4,55.355) 72.953,55.355 ccw(c73.4,55.355) 73.4,54.907 74.042,54.907 cw(c74.042,54.716) 74.233,54.716 cw(c74.042,54.716) 74.042,54.526 73.4,54.526 ccw(c73.4,54.078) 72.953,54.078 ccw(c73.4,54.078) 73.4,53.63 73.402,53.63 cw(c73.402,53.44) 73.593,53.44 73.593,53.248 73.593,51.543 79.744,45.392 87.139,45.392 87.261,45.271 JM1.65@87.867,45.271
D2B_N: JM1.71 U12.16 | length 42
  Top Layer w0.127: U12.16@75.243,69.425 75.243,69.085 75.122,68.964 75.122,66.709 75.122,66.517 ccw(c75.312,66.517) 75.312,66.327 75.314,66.327 cw(c75.314,65.879) 75.762,65.879 cw(c75.314,65.879) 75.314,65.431 74.672,65.431 ccw(c74.672,65.241) 74.482,65.241 ccw(c74.672,65.241) 74.672,65.05 75.314,65.05 cw(c75.314,64.602) 75.762,64.602 cw(c75.314,64.602) 75.314,64.155 74.672,64.155 ccw(c74.672,63.964) 74.482,63.964 ccw(c74.672,63.964) 74.672,63.774 75.314,63.774 cw(c75.314,63.326) 75.762,63.326 cw(c75.314,63.326) 75.314,62.878 74.672,62.878 ccw(c74.672,62.688) 74.482,62.688 ccw(c74.672,62.688) 74.672,62.497 75.314,62.497 cw(c75.314,62.05) 75.762,62.05 cw(c75.314,62.05) 75.314,61.602 74.672,61.602 ccw(c74.672,61.411) 74.482,61.411 ccw(c74.672,61.411) 74.672,61.221 75.028,61.221 cw(c75.028,60.773) 75.475,60.773 cw(c75.028,60.773) 75.028,60.325 74.674,60.325 ccw(c74.674,60.135) 74.483,60.135 ccw(c74.674,60.135) 74.674,59.944 cw(c74.674,59.497) 75.122,59.497 75.122,58.351 75.122,52.153 80.626,46.649 84.605,46.649 85.367,46.649 ccw(c85.367,46.84) 85.558,46.84 cw(c85.748,46.84) 85.939,46.84 ccw(c86.129,46.84) 86.129,46.649 86.574,46.649 87.139,46.649 87.261,46.771 JM1.71@87.867,46.771
D2B_P: JM1.69 U12.15 | length 42
  Top Layer w0.127: U12.15@74.743,69.425 74.743,69.085 74.864,68.964 74.864,66.737 74.864,66.709 74.864,66.517 ccw(c75.312,66.517) 75.312,66.069 75.314,66.069 cw(c75.314,65.879) 75.504,65.879 cw(c75.314,65.879) 75.314,65.688 74.672,65.688 ccw(c74.672,65.241) 74.224,65.241 ccw(c74.672,65.241) 74.672,64.793 75.314,64.793 cw(c75.314,64.602) 75.504,64.602 cw(c75.314,64.602) 75.314,64.412 74.672,64.412 ccw(c74.672,63.964) 74.224,63.964 ccw(c74.672,63.964) 74.672,63.516 75.314,63.516 cw(c75.314,63.326) 75.504,63.326 cw(c75.314,63.326) 75.314,63.135 74.672,63.135 ccw(c74.672,62.688) 74.224,62.688 ccw(c74.672,62.688) 74.672,62.24 75.314,62.24 cw(c75.314,62.05) 75.504,62.05 cw(c75.314,62.05) 75.314,61.859 74.672,61.859 ccw(c74.672,61.411) 74.224,61.411 ccw(c74.672,61.411) 74.672,60.964 75.028,60.964 cw(c75.028,60.773) 75.218,60.773 cw(c75.028,60.773) 75.028,60.583 74.674,60.583 ccw(c74.674,60.135) 74.226,60.135 ccw(c74.674,60.135) 74.674,59.687 cw(c74.674,59.497) 74.864,59.497 74.864,58.351 74.864,53.85 74.864,52.047 80.519,46.392 87.139,46.392 87.261,46.271 JM1.69@87.867,46.271